# Altium PCB MainBoard V1.PcbDoc
Units mil, origin at the board's own origin, x right, y up, seen from the top; angles counter-clockwise.
Board outline 3809 x 2933.07 mil, 2 copper layers (Top Layer, Bottom Layer); 33 components, 45 nets, 331 pads, 46 vias.
Unrouted connection lines stored in the file: 3.
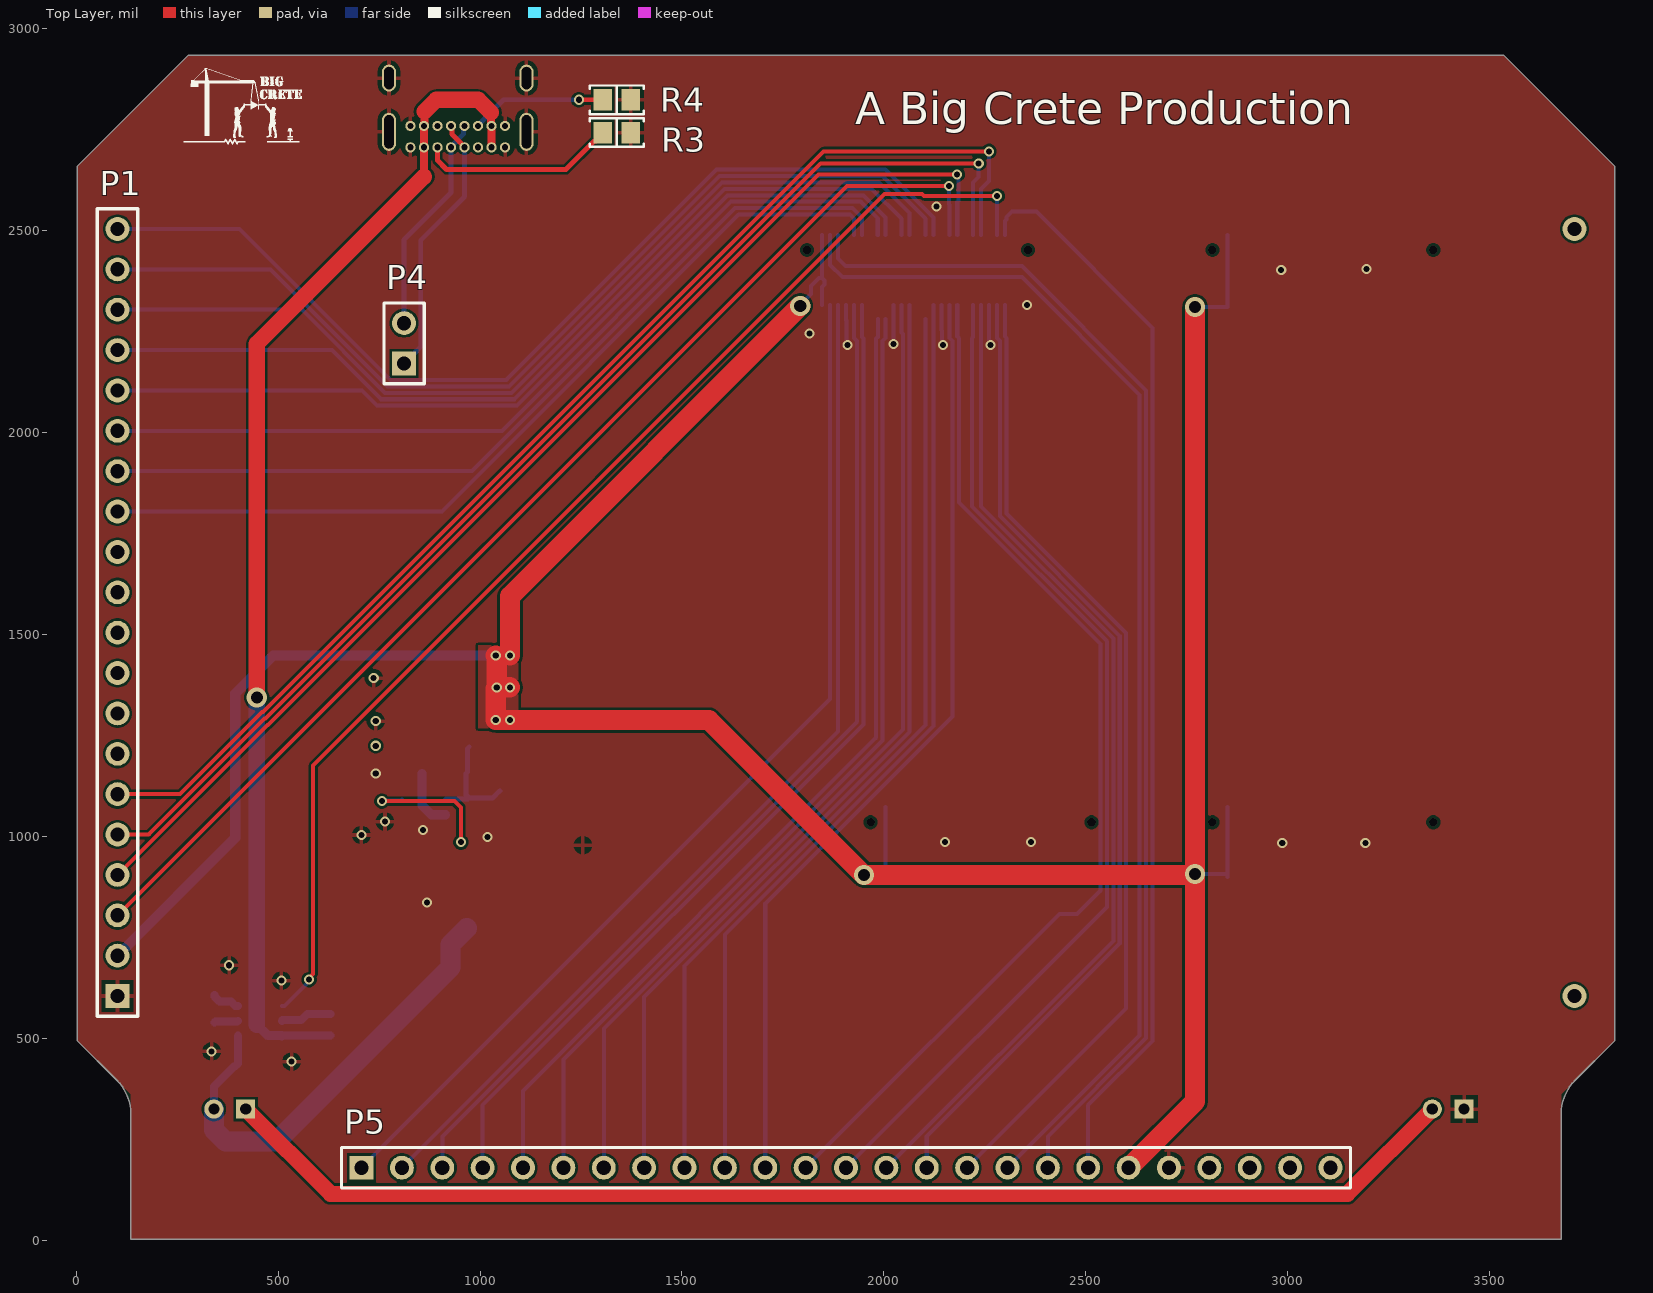
[diagram p0: Top Layer view]
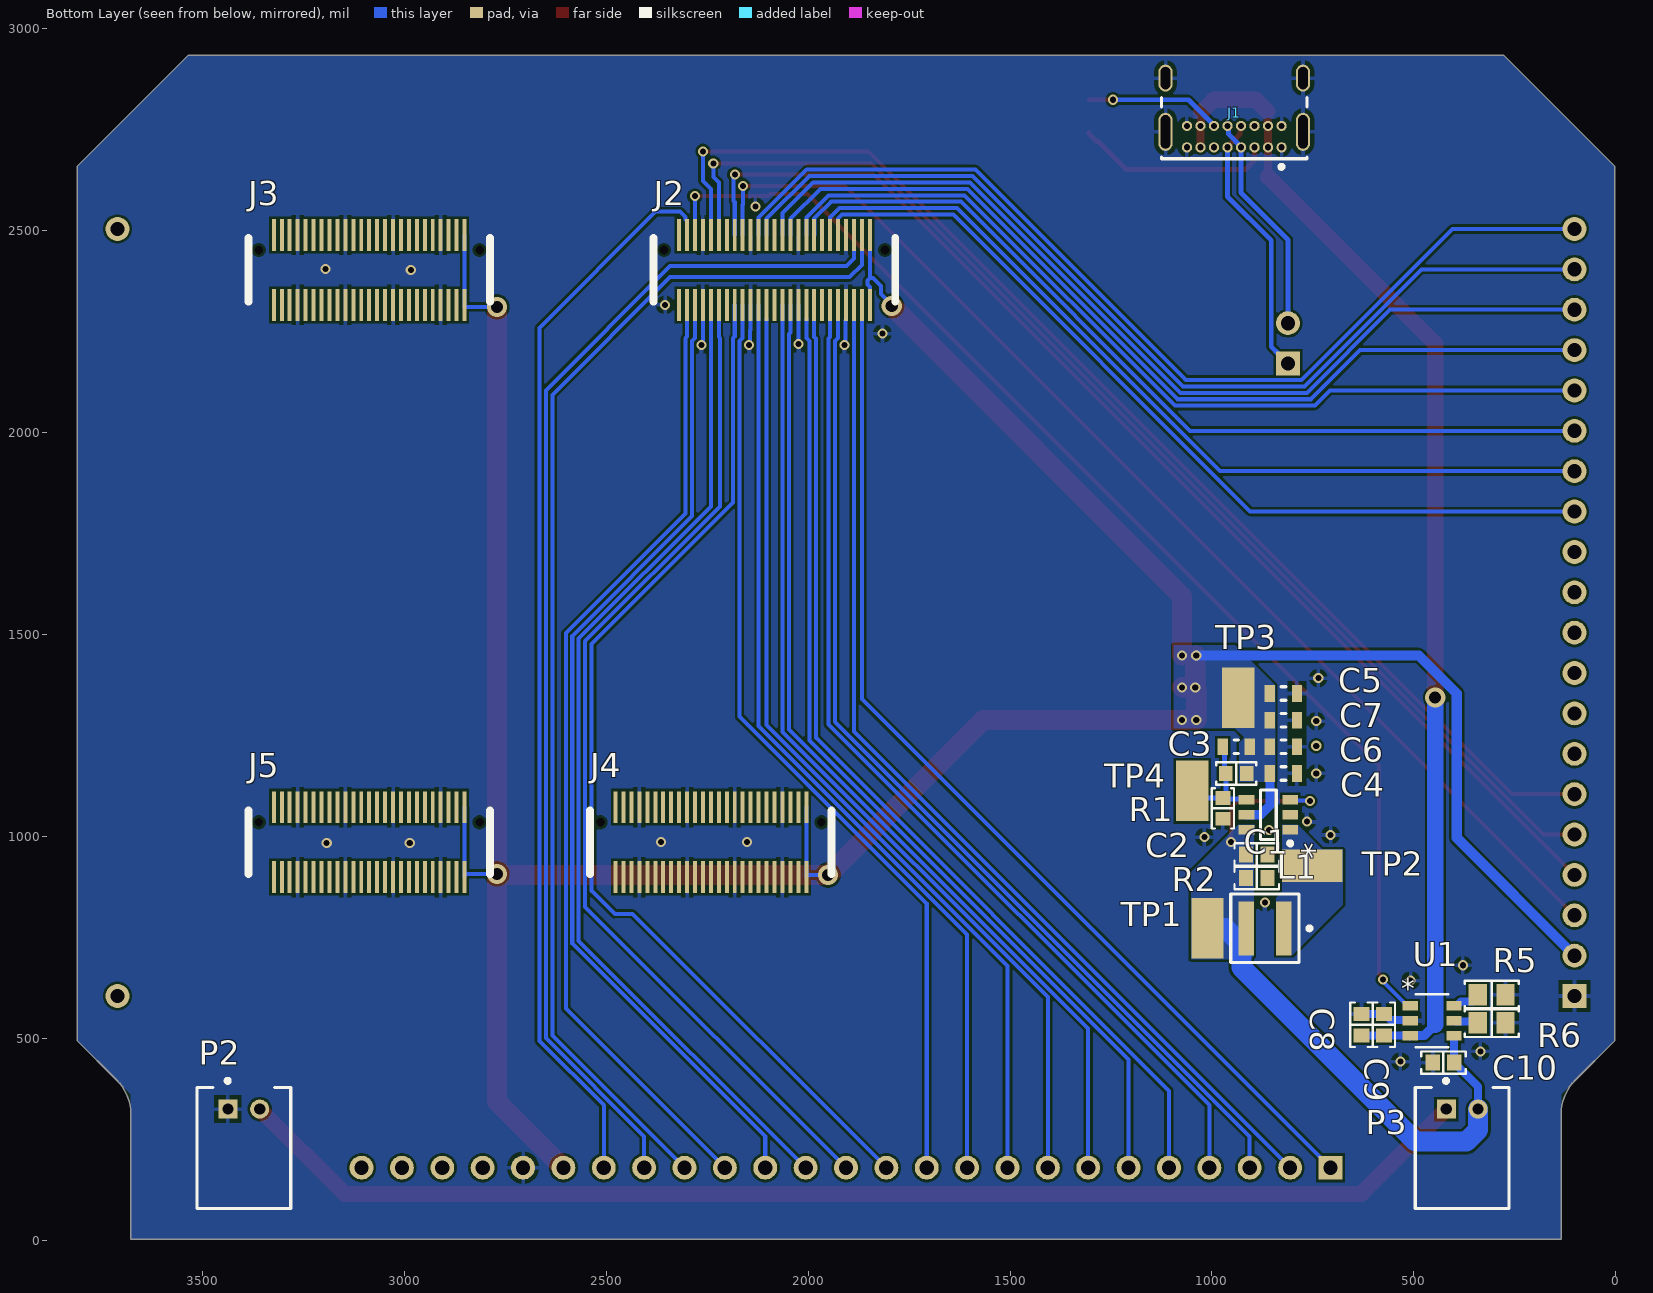
[diagram p1: Bottom Layer view, seen from below]
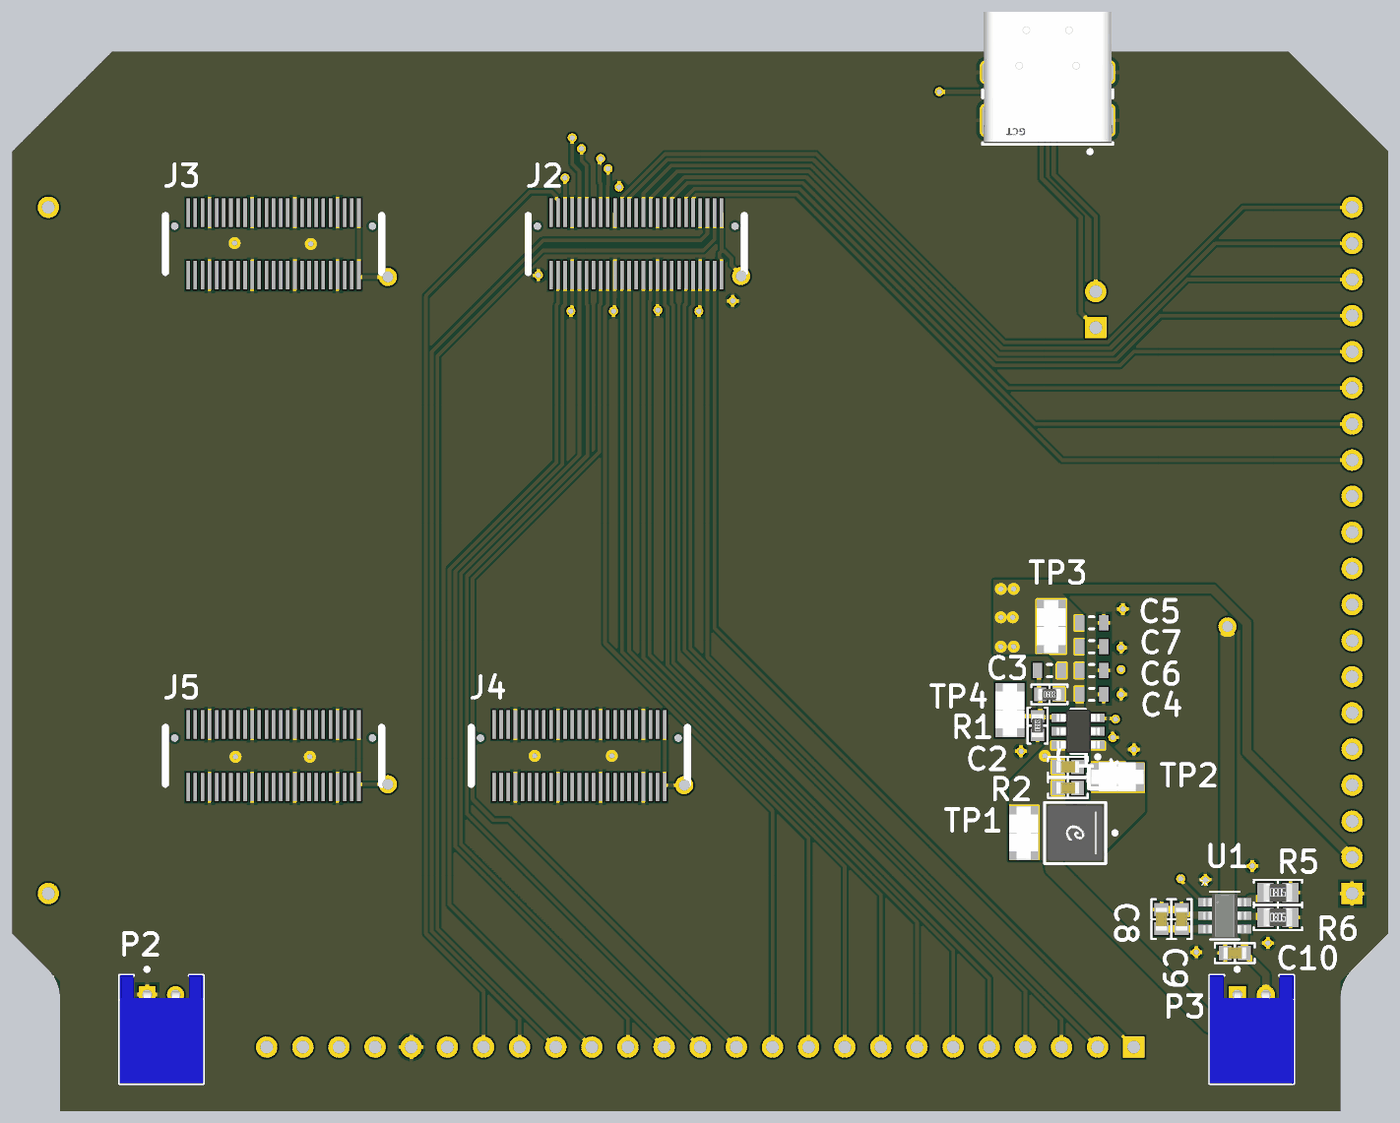
[diagram p2: 3D render of the assembled board from below, using the file's embedded part models]

## Layer stack, top to bottom
Top Solder: solder mask 0.4, Solder Resist, Dk 3.5
Top Layer: signal copper 1.4
Dielectric 1: dielectric 12.6, FR-4, Dk 4.8
Bottom Layer: signal copper 1.4
Bottom Solder: solder mask 0.4, Solder Resist, Dk 3.5

## Board outline
134.81,312.33 ccw(c16.7,312.33) 100.22,395.84 1.97,494.09 1.97,2659.45 277.56,2935.04 3535.38,2935.04 3810.97,2659.45 3810.97,494.09 3712.72,395.84 ccw(c3796.23,312.33) 3678.12,312.33 3678.12,1.97 134.81,1.97

## Design rules (kind name [scope] priority, off if disabled: settings)
Clearance [All] p1: gap=6 ignorepadtopadclearanceinfootprint=FALSE
PolygonConnect HighCurrentConnect [WithinRoom('Direct Connect')] p1: connectstyle=Direct reliefconductorwidth=10 reliefentries=4 polygonreliefangle="90 Angle" airgapwidth=10
PolygonConnect [All] p2: connectstyle=Relief reliefconductorwidth=10 reliefentries=4 polygonreliefangle="90 Angle" airgapwidth=10
RoutingVias [All] p1: holewidth=15 width=25 viastyle="Through Hole" minholewidth=10 minwidth=20 maxholewidth=50 maxwidth=50
SolderMaskExpansion [All] p1: expansion=4 istentingtop=FALSE
Width [All] p1: maxlimit=50 minlimit=10 preferedwidth=10
30 further rules are at their usual default settings.

## Classes and differential pairs
net class D[7..0]: D0 D1 D2 D3 D4 D5 D6 D7
component class Connectors: J1 J2 J3 J4 J5 P1 P2 P3 P4 P5 R3 R4
component class BatteryManagement: C8 C9 C10 R5 R6 U1
component class 5VBoost: * C1 C2 C3 C4 C5 C6 C7 L1 R1 R2 TP1 TP2 TP3 TP4

## Components (designator, comment, footprint, x,y, rotation, side; value= is the part's Value field where it differs from the comment)
* "TLV61070ADBVR" SOT95P280X145-6N 860.27,1053.4 r0 bottom
C1 "10 µF" "CAP 0603_1608" 889,896.62 r180 bottom
C2 "10 µF" "CAP 0603_1608" 889,955.04 r180 bottom
C3 "C1608X5R1A226M080AC" CAPC1608X100X20ML10 939.8,1221.74 r180 bottom
C4 "C1608X5R1A226M080AC" CAPC1608X100X20ML10 822.96,1155.7 r0 bottom
C5 "C1608X5R1A226M080AC" CAPC1608X100X20ML10 822.96,1353.82 r0 bottom
C6 "C1608X5R1A226M080AC" CAPC1608X100X20ML10 822.96,1221.74 r0 bottom
C7 "C1608X5R1A226M080AC" CAPC1608X100X20ML10 822.96,1287.78 r0 bottom
C8 "1 µF" "CAP 0603_1608" 629.92,533.4 r270 bottom
C9 "10 µF" "CAP 0603_1608" 574.04,533.4 r270 bottom
C10 "1 µF" "CAP 0603_1608" 426.72,439.42 r180 bottom
J1 "USB4085-GF-A" FP-USB4085-GF-A-MFG 944.72,2865 r0 bottom
J2 "Alchitry Male" AlchitryMale 2083.62,2402.95 r0 bottom locked
J3 "Alchitry Male" AlchitryMale 3087.56,2402.95 r0 bottom locked
J4 "Alchitry Male" AlchitryMale 2241.1,985.63 r0 bottom locked
J5 "Alchitry Male" AlchitryMale 3087.56,985.63 r0 bottom locked
L1 "XGL4030-222MEC" FP-XGL4030-MFG 868.68,772.16 r0 bottom
P1 "Header 20" HDR1X20 101.97,604.45 r90 top locked
P2 "S2B-PH-K-S(LF)(SN)" JST-S2B-PH-K-S_V 3398.12,227.99 r180 bottom
P3 "S2B-PH-K-S(LF)(SN)" JST-S2B-PH-K-S_V 380.12,227.99 r180 bottom
P4 "Header 2" HDR1X2 811.7,2171.2 r90 top
P5 "Header 25" HDR1X25 706.47,179.13 r0 top locked
R1 "220 kOhms" "RES 0603_1608" 939.8,1155.7 r180 bottom
R2 "24.3 kOhms" "RES 0603_1608" 972.82,1069.34 r90 bottom
R3 "5.1 kOhms" "RES 0805_2012" 1338.58,2743.2 r0 top
R4 "5.1 kOhms" "RES 0805_2012" 1338.58,2824.48 r0 top
R5 "110 kOhms" "RES 0805_2012" 307.34,607.06 r180 bottom
R6 "15 kOhms" "RES 0805_2012" 307.34,538.48 r180 bottom
TP1 "5019" KSTN-5019_V 1010.92,772.16 r90 bottom
TP2 "5019" KSTN-5019_V 751.84,927.1 r180 bottom
TP3 "5019" KSTN-5019_V 934.72,1343.66 r90 bottom
TP4 "5019" KSTN-5019_V 1049.02,1112.52 r90 bottom
U1 "RT9526AGE" SOT-23-6_RIT 454.64,543.06 r180 bottom

## Footprints (in the part's own frame and the unit in brackets; to place one, negate y for a bottom-side part, rotate by r counter-clockwise, add the part's x,y. Pads: shape width x height; smd on the part's side, far side on the other; paste and mask are expansions set on the pad)
AlchitryMale [mm]
  rect 0.25x2 smd: 1(-6,2.2) 2(-5.5,2.2) 3(-5,2.2) 4(-4.5,2.2) 5(-4,2.2) 6(-3.5,2.2) 7(-3,2.2) 8(-2.5,2.2) 9(-2,2.2) 10(-1.5,2.2) 11(-1,2.2) 12(-0.5,2.2) 13(0,2.2) 14(0.5,2.2) 15(1,2.2) 16(1.5,2.2) 17(2,2.2) 18(2.5,2.2) 19(3,2.2) 20(3.5,2.2) 21(4,2.2) 22(4.5,2.2) 23(5,2.2) 24(5.5,2.2) 25(6,2.2) 26(6,-2.2) 27(5.5,-2.2) 28(5,-2.2) 29(4.5,-2.2) 30(4,-2.2) 31(3.5,-2.2) 32(3,-2.2) 33(2.5,-2.2) 34(2,-2.2) 35(1.5,-2.2) 36(1,-2.2) 37(0.5,-2.2) 38(0,-2.2) 39(-0.5,-2.2) 40(-1,-2.2) 41(-1.5,-2.2) 42(-2,-2.2) 43(-2.5,-2.2) 44(-3,-2.2) 45(-3.5,-2.2) 46(-4,-2.2) 47(-4.5,-2.2) 48(-5,-2.2) 49(-5.5,-2.2) 50(-6,-2.2)
  oval 0.55x0 hole 0.55 unplated: 14(-6.95,-1.25) 14(6.95,-1.25)
  silkscreen extent -7.6,-2 7.6,2
"CAP 0603_1608" [mm] "Chip Capacitor, 2-Leads, Body 1.60x0.80mm, IPC Medium Density"
  rect 0.9x1 smd: 1(-0.675,0) 2(0.675,0)
  silkscreen extent -1.4,-0.7 1.4,0.7, body extent -0.8,-0.41 0.8,0.41, height 0.82
CAPC1608X100X20ML10 [mm] "Chip Capacitor, 2-Leads, Body 1.70x0.90mm, IPC Low Density"
  rect 0.65x1.05 smd: 1(-0.85,0) 2(0.85,0)
  silkscreen extent -0.15,-0.43 0.15,0.43, body extent -0.85,-0.45 0.85,0.45, height 1
FP-USB4085-GF-A-MFG [mm]
  rrect100% 0.9x2.4 hole 2.1 slot 0.6 at 0 deg paste-1000 mask+0: 1(-4.325,3.045) 2(4.325,3.045)
  rrect100% 0.9x1.7 hole 1.4 slot 0.6 at 0 deg paste-1000 mask+0: 3(-4.325,-0.335) 4(4.325,-0.335)
  round 0.65 hole 0.4 paste-1000 mask+0: A1(-2.975,4.025) A4(-2.125,4.025) A5(-1.275,4.025) A6(-0.425,4.025) A7(0.425,4.025) A8(1.275,4.025) A9(2.125,4.025) A12(2.975,4.025) B1(2.975,2.675) B4(2.125,2.675) B5(1.275,2.675) B6(0.425,2.675) B7(-0.425,2.675) B8(-1.275,2.675) B9(-2.125,2.675) B12(-2.975,2.675)
  silkscreen extent -4.57,0.89 4.57,5.37, body extent -4.51,-4.6 4.51,4.57, height 3.46
FP-XGL4030-MFG [mm]
  rect 0.98x3.4 smd paste+0 mask+0: 1(-1.185,0) 2(1.185,0)
  silkscreen extent -2.92,-2.15 2.15,2.15, body extent -2,-2 2,2, height 3.1
HDR1X2 [mm] "Connector; Header; 2 Position"
  rect 1.5x1.5 hole 0.9: 1(0,0)
  round 1.5 hole 0.9: 2(2.54,0)
  silkscreen extent -1.27,-1.27 3.81,1.27
HDR1X20 [mm] "Connector; Header; 20 Position"
  rect 1.5x1.5 hole 0.9: 1(0,0)
  round 1.5 hole 0.9: 2(2.54,0) 3(5.08,0) 4(7.62,0) 5(10.16,0) 6(12.7,0) 7(15.24,0) 8(17.78,0) 9(20.32,0) 10(22.86,0) 11(25.4,0) 12(27.94,0) 13(30.48,0) 14(33.02,0) 15(35.56,0) 16(38.1,0) 17(40.64,0) 18(43.18,0) 19(45.72,0) 20(48.26,0)
  silkscreen extent -1.27,-1.27 49.53,1.27
HDR1X25 [mm] "Connector; Header; 25 Position"
  rect 1.5x1.5 hole 0.9: 1(0,0)
  round 1.5 hole 0.9: 2(2.54,0) 3(5.08,0) 4(7.62,0) 5(10.16,0) 6(12.7,0) 7(15.24,0) 8(17.78,0) 9(20.32,0) 10(22.86,0) 11(25.4,0) 12(27.94,0) 13(30.48,0) 14(33.02,0) 15(35.56,0) 16(38.1,0) 17(40.64,0) 18(43.18,0) 19(45.72,0) 20(48.26,0) 21(50.8,0) 22(53.34,0) 23(55.88,0) 24(58.42,0) 25(60.96,0)
  silkscreen extent -1.27,-1.27 62.23,1.27
JST-S2B-PH-K-S_V [mm] "THD, 2-Leads, Body 7.6x5.9mm, Pitch 2mm"
  rect 1.2x1.2 hole 0.7: 1(-1,2.45)
  round 1.2 hole 0.7: 2(1,2.45)
  silkscreen extent -2.95,-3.8 2.95,4.35, body extent -2.95,-3.8 2.95,3.8, height 4.8
KSTN-5019_V [mm] "Test Point, 1-Leads, Body 3.81x2.03mm"
  rect 3.8x2.03 smd: 1(0,0)
  body extent -1.91,-1.02 1.9,1.02, height 2.29
"RES 0603_1608" [mm] "Chip Resistor, 2-Leads, Body 1.60x0.80mm, IPC Medium Density"
  rect 0.85x0.95 smd: 1(-0.65,0) 2(0.65,0)
  silkscreen extent -1.27,-0.7 1.27,0.7, body extent -0.8,-0.4 0.8,0.4, height 0.45
"RES 0805_2012" [mm] "Chip Resistor, 2-Leads, Body 2.00x1.25mm, IPC Medium Density"
  rect 1.15x1.35 smd: 1(-0.875,0) 2(0.875,0)
  silkscreen extent -1.7,-0.9 1.7,0.9, body extent -1,-0.62 1,0.63, height 0.6
SOT95P280X145-6N [mm] "SOT23, 6-Leads, Body 2.90x2.80mm, Pitch 0.95mm, IPC Medium Density"
  rect 1x0.6 smd: 1(-1.375,0.95) 2(-1.375,0) 3(-1.375,-0.95) 4(1.375,-0.95) 5(1.375,0) 6(1.375,0.95)
  silkscreen extent -1.5,-1.55 0.5,1.92, body extent -1.5,-1.53 1.5,1.53, height 1.45
SOT-23-6_RIT [mil]
  rect 37.5x24 smd paste+0 mask+0: 1(-54.25,37) 2(-54.25,0) 3(-54.25,-37) 4(54.25,-37) 5(54.25,0) 6(54.25,37)
  silkscreen extent -41,-66 41,66, body extent -59,-61 59,61, height 51

## Part data
C1 C2 C9: library part GRM188R61E106KA73J, "CAP CER 10UF 25V X5R 0603", Device Package="0603 (1608 Metric)", Manufacturer="Murata Electronics", Operating Temperature="-55°C ~ 85°C", Supplier Part Number 1=490-GRM188R61E106KA73JCT-ND, Temperature Coefficient=X5R, Tolerance=±10%, Voltage - Rated=25V, Applications="General Purpose", Capacitance="10 µF", ComponentLink1Description=Datasheet, ComponentLink1URL=https://search.murata.co.jp/Ceramy/image/img/A01X/G101/ENG/GRM188R61E106KA73-01A.pdf, ComponentLink2Description="DigiKey Link", ComponentLink2URL=https://www.digikey.com/en/products/detail/murata-electronics/GRM188R61E106KA73J/9887674, lastupdated="2023-01-03 8:06:37 PM", Lifecycle Status=Active, Minimum Order=1, Mounting Type="Surface Mount, MLCC", Package / Case="0603 (1608 Metric)", Packaging=TapeAndReel, Part Number=GRM188R61E106KA73J, Part Status=Active, partid=39529, price=0.04, Series=GRM, Size / Dimension="0.063\" L x 0.031\" W (1.60mm x 0.80mm)", Supplier 1=DigiKey, Thickness (Max)="0.039\" (1.00mm)"
C3 C4 C5 C6 C7: library part CMP-2000-05441-1, "Chip Capacitor, 22 uF, +/- 20%, 10 V, -55 to 85 degC, 0603 (1608 Metric), RoHS, Tape and Reel", Capacitance=22µF, Manufacturer=TDK, Operating Temperature=-55degC~85degC, Package / Case=0603(1608Metric), Package Description="2-Pin Surface Mount Device, Body 1.6 x 0.8 mm", Package Reference=603, PCN Part Number=MLCCPartNumberChange30/Nov/2012, Ratings=-, Standard Package=1, Temperature Coefficient=X5R, Tolerance=±20%, Voltage - Rated=10V, Applications=GeneralPurpose, Category=Capacitors, Datasheet URL=http://download.siliconexpert.com/pdfs/2015/4/21/15/54/45/779/tdk_/manual/37024850441143360mlcc_commercial_general_en.pdf, Datasheet Version=Mar-15, Design Resources=20WNon-IsolatedBuckLEDDriverUsingPLLNK460KG, Family=CeramicCapacitors, Features=-, Height - Seated (Max)=-, Kits=445-9014-KIT-ND-KITMLCC100PF-22UF060310-50V, Lead Spacing=-, Lead Style=-, Manufacturer URL=http://www.tdk.com/, Mounting Type=SurfaceMount,MLCC, Online Catalog=CSeries,GeneralPurpose, Other Names=445-9077-1, Packaging=CutTape(CT), Product Training Modules=CSeriesGeneralApplicationsSEAT,CCV,andTVCLDesignToolsGuidetoReplacinganElectrolyticCapacitorwithanMLCC, RoHS Information=RoHSCertificate-MLCC, Series=C, Size / Dimension="0.063\"Lx0.031\"W(1.60mmx0.80mm)", Thickness (Max)="0.035\"(0.90mm)"
C8 C10: library part C1608X7R1C105K080AC, "CAP CER 1UF 16V X7R 0603", Device Package="0603 (1608 Metric)", Manufacturer="TDK Corporation", Operating Temperature="-55°C ~ 125°C", Supplier Part Number 1=445-1604-1-ND, Temperature Coefficient=X7R, Tolerance=±10%, Voltage - Rated=16V, Applications="General Purpose", Capacitance="1 µF", ComponentLink1Description=Datasheet, ComponentLink1URL=https://product.tdk.com/info/en/catalog/datasheets/mlcc_commercial_general_en.pdf?ref_disty=digikey, ComponentLink2Description="DigiKey Link", ComponentLink2URL=https://www.digikey.com/en/products/detail/tdk-corporation/C1608X7R1C105K080AC/634395, Features="Low ESL", lastupdated="2023-01-03 8:06:54 PM", Lifecycle Status=Active, Minimum Order=1, Mounting Type="Surface Mount, MLCC", Package / Case="0603 (1608 Metric)", Packaging=TapeAndReel, Part Number=C1608X7R1C105K080AC, Part Status=Active, partid=36324, price=0.01, Series=C, Size / Dimension="0.063\" L x 0.031\" W (1.60mm x 0.80mm)", Supplier 1=DigiKey, Thickness (Max)="0.035\" (0.90mm)"
J1: library part CMP-196119-000001-2, "CONN RCPT USB2.0 TYPE C 24POS RA", Contact Material="Copper Alloy", Contact Plating=Gold, Gender=Receptacle, Number of Positions=16, Orientation="Right Angle", USB Standard="USB 2.0"
L1: library part CMP-11268-000073-1, "Inductor Power Shielded Wirewound 2.2uH 20% 1MHz Composite 8.7A 15mOhm DCR Automotive T/R"
P1: "Header, 20-Pin", LatestRevisionDate=17-Jul-2002, LatestRevisionNote="Re-released for DXP Platform.", Publisher="Altium Limited"
P2 P3: library part CMP-1755-00004-1, "Male Header, Pitch 2 mm, 1 x 2 Position, Height 4.8 mm, Tail Length 3.4 mm, -25 to 85 degC, RoHS, Bulk", Capacitance="10 uF", Case\Package=Radial, Max Operating Temperature="85 degC", Min Operating Temperature="-40 degC", Package Quantity=200, Tolerance=20%, Voltage Rating="50 V", ComponentLink1Description=Datasheet, ComponentLink1URL=http://www.jst-mfg.com/product/pdf/eng/ePH.pdf, DatasheetVersion=Dec-12, Diameter="5 mm", Height="11 mm", Lead Pitch="2 mm", Length="11 mm", Mount="Through Hole", PackageDescription="Male Header, Pitch 2 mm, 1 x 2 Position, Height 4.8 mm, Tail Length 3.4 mm", PackageReference=S2B-PH-K-S, Packaging=Bulk, Pins=2, Radiation Hardening=No, REACH SVHC="No SVHC", RoHSCompliant=true, Voltage Rating (DC)="50 V"
P4: "Header, 2-Pin", LatestRevisionDate=17-Jul-2002, LatestRevisionNote="Re-released for DXP Platform.", Publisher="Altium Limited"
P5: "Header, 25-Pin", LatestRevisionDate=17-Jul-2002, LatestRevisionNote="Re-released for DXP Platform.", Publisher="Altium Limited"
R1: library part RC0603FR-07220KL, "RES 220K OHM 1% 1/10W 0603", Device Package="0603 (1608 Metric)", Manufacturer=Yageo, Operating Temperature="-55°C ~ 155°C", Power (Watts)="0.1W, 1/10W", Supplier Device Package=0603, Supplier Part Number 1=311-220KHRCT-ND, Temperature Coefficient=±100ppm/°C, Tolerance=±1%, ComponentLink1Description=Datasheet, ComponentLink1URL=https://www.yageo.com/upload/media/product/productsearch/datasheet/rchip/PYu-RC_Group_51_RoHS_L_10.pdf, ComponentLink2Description="DigiKey Link", ComponentLink2URL=https://www.digikey.com/en/products/detail/yageo/RC0603FR-07220KL/727062, Composition="Thick Film", Features="Moisture Resistant", Height - Seated (Max)="0.022\" (0.55mm)", lastupdated="2023-01-02 8:29:28 PM", Lifecycle Status=Active, Minimum Order=1, Number of Terminations=2, Package / Case="0603 (1608 Metric)", Packaging=CutTape, Part Number=RC0603FR-07220KL, Part Status=Active, partid=19015, price=0.01, Resistance="220 kOhms", Series=RC_L, Size / Dimension="0.063\" L x 0.031\" W (1.60mm x 0.80mm)", Supplier 1=DigiKey
R2: library part RC0603FR-0724K3L, "RES 24.3K OHM 1% 1/10W 0603", Device Package="0603 (1608 Metric)", Manufacturer=Yageo, Operating Temperature="-55°C ~ 155°C", Power (Watts)="0.1W, 1/10W", Supplier Device Package=0603, Supplier Part Number 1=311-24.3KHRCT-ND, Temperature Coefficient=±100ppm/°C, Tolerance=±1%, ComponentLink1Description=Datasheet, ComponentLink1URL=https://www.yageo.com/upload/media/product/productsearch/datasheet/rchip/PYu-RC_Group_51_RoHS_L_10.pdf, ComponentLink2Description="DigiKey Link", ComponentLink2URL=https://www.digikey.com/en/products/detail/yageo/RC0603FR-0724K3L/727078, Composition="Thick Film", Features="Moisture Resistant", Height - Seated (Max)="0.022\" (0.55mm)", lastupdated="2023-01-02 8:30:16 PM", Lifecycle Status=Active, Minimum Order=1, Number of Terminations=2, Package / Case="0603 (1608 Metric)", Packaging=CutTape, Part Number=RC0603FR-0724K3L, Part Status=Active, partid=7644, price=0.01, Resistance="24.3 kOhms", Series=RC_L, Size / Dimension="0.063\" L x 0.031\" W (1.60mm x 0.80mm)", Supplier 1=DigiKey
R3 R4: library part RC0805JR-075K1L, "RES 5.1K OHM 5% 1/8W 0805", Device Package="0805 (2012 Metric)", Manufacturer=Yageo, Operating Temperature="-55°C ~ 155°C", Power (Watts)="0.125W, 1/8W", Supplier Device Package=0805, Supplier Part Number 1=311-5.1KARCT-ND, Temperature Coefficient=±100ppm/°C, Tolerance=±5%, ComponentLink1Description=Datasheet, ComponentLink1URL=https://www.yageo.com/upload/media/product/productsearch/datasheet/rchip/PYu-RC_Group_51_RoHS_L_10.pdf, ComponentLink2Description="DigiKey Link", ComponentLink2URL=https://www.digikey.com/en/products/detail/yageo/RC0805JR-075K1L/728338, Composition="Thick Film", Features="Moisture Resistant", Height - Seated (Max)="0.024\" (0.60mm)", lastupdated="2023-01-02 8:43:52 PM", Lifecycle Status=Active, Minimum Order=1, Number of Terminations=2, Package / Case="0805 (2012 Metric)", Packaging=CutTape, Part Number=RC0805JR-075K1L, Part Status=Active, partid=41971, price=0.01, Resistance="5.1 kOhms", Series=RC_L, Size / Dimension="0.079\" L x 0.049\" W (2.00mm x 1.25mm)", Supplier 1=DigiKey
R5: library part RC0805FR-07110KL, "RES 110K OHM 1% 1/8W 0805", Device Package="0805 (2012 Metric)", Manufacturer=Yageo, Operating Temperature="-55°C ~ 155°C", Power (Watts)="0.125W, 1/8W", Supplier Device Package=0805, Supplier Part Number 1=311-110KCRCT-ND, Temperature Coefficient=±100ppm/°C, Tolerance=±1%, ComponentLink1Description=Datasheet, ComponentLink1URL=https://www.yageo.com/upload/media/product/productsearch/datasheet/rchip/PYu-RC_Group_51_RoHS_L_10.pdf, ComponentLink2Description="DigiKey Link", ComponentLink2URL=https://www.digikey.com/en/products/detail/yageo/RC0805FR-07110KL/727560, Composition="Thick Film", Features="Moisture Resistant", Height - Seated (Max)="0.024\" (0.60mm)", lastupdated="2023-01-02 8:44:02 PM", Lifecycle Status=Active, Minimum Order=1, Number of Terminations=2, Package / Case="0805 (2012 Metric)", Packaging=CutTape, Part Number=RC0805FR-07110KL, Part Status=Active, partid=39573, price=0.01, Resistance="110 kOhms", Series=RC_L, Size / Dimension="0.079\" L x 0.049\" W (2.00mm x 1.25mm)", Supplier 1=DigiKey
R6: library part RC0805FR-1315KL, "RES 15K OHM 1% 1/8W 0805", Device Package="0805 (2012 Metric)", Manufacturer=Yageo, Operating Temperature="-55°C ~ 155°C", Power (Watts)="0.125W, 1/8W", Supplier Device Package=0805, Supplier Part Number 1=13-RC0805FR-1315KLCT-ND, Temperature Coefficient=±100ppm/°C, Tolerance=±1%, ComponentLink1Description=Datasheet, ComponentLink1URL=https://www.yageo.com/upload/media/product/productsearch/datasheet/rchip/PYu-RC_Group_51_RoHS_L_11.pdf, ComponentLink2Description="DigiKey Link", ComponentLink2URL=https://www.digikey.com/en/products/detail/yageo/RC0805FR-1315KL/13694228, Composition="Thick Film", Features="Moisture Resistant", Height - Seated (Max)="0.024\" (0.60mm)", lastupdated="2023-01-02 8:42:49 PM", Lifecycle Status=Active, Minimum Order=1, Number of Terminations=2, Package / Case="0805 (2012 Metric)", Packaging=CutTape, Part Number=RC0805FR-1315KL, Part Status=Active, partid=66554, price=0.01, Resistance="15 kOhms", Series=RC_L, Size / Dimension="0.079\" L x 0.049\" W (2.00mm x 1.25mm)", Supplier 1=DigiKey
TP1 TP2 TP3 TP4: library part CMP-1672-00008-1, "Test Point, 1 Position SMD, RoHS, Tape and Reel", Package Quantity=1000, ComponentLink1Description="Manufacturer URL", ComponentLink1URL=http://www.keyelco.com/, ComponentLink2Description=Datasheet, ComponentLink2URL=http://www.keyelco.com/product-pdf.cfm?p=1357, Contact Plating=Silver, DatasheetVersion=03/2014, Mount="Surface Mount", Mounting Technology="Surface Mount", PackageDescription="1-Pin Surface Mount Device, Body 3.81 x 2.03 mm", PackageReference=5019, Packaging="Tape and Reel", Pins=1, RoHSCompliant=True
U1: "No Description Available", Mfr_Name="Richtek Technology", Copyright="Copyright (C) 2023 Ultra Librarian. All rights reserved.", Digi-Key_Part_Number_1=1028-1359-2-ND, Digi-Key_Part_Number_2=1028-1359-1-ND, Digi-Key_Part_Number_3=1028-1359-6-ND, Manufacturer_Part_Number=RT9526AGE, RefDes=RefDes, Type=DEV

## Free pads (board coordinates)
  round 59.05 hole 35.43: 15(3710.97,604.45) 15(3710.97,2504.45)

## Via types
v1: diameter 25, hole 15, Top Layer to Bottom Layer, 41 vias
v2: diameter 50, hole 30, Top Layer to Bottom Layer, 5 vias

## Nets (pads, with @x,y where several pads share a name; then routed paths per layer and width w, separated by ;. In a path a pad name is that pad's centre, name@x,y a point inside that pad or via, vN(x,y) a via of type N, cw(c..) or ccw(c..) an arc to the next point about the centre after c; other vN are vias at no path point)
5V: *.5 C3.2 C4.2 C5.2 C6.2 C7.2 J2.1 J2.50 J3.1 J3.50 J4.1 J4.50 J5.1 J5.50 P1.2 P5.20 R1.2 TP3.1 | length 8065.7
  Top Layer w50: v1(1038.86,1447.8) 1041.4,1445.26 v1(1041.4,1369.06) ; v1(1074.42,1369.06) v1(1041.4,1369.06) ; v1(1074.42,1447.8) 1074.42,1595.12 v2(1793.24,2313.94) ; P5.20 2771.14,343.81 v2(2771.14,906.78) ; v2(2771.14,2311.4) v2(2771.14,906.78) ; v1(1041.4,1369.06) 1038.86,1366.52 v1(1038.86,1287.78) v1(1074.42,1287.78) 1567.18,1287.78 v2(1950.72,904.24) 2768.6,904.24 v2(2771.14,906.78)
  Bottom Layer w10: v2(1793.24,2313.94) 1793.24,2316.97 1820.01,2343.74 1820.01,2363.59 1839.12,2382.7 1847.4,2382.7 ; J2.1 1847.48,2316.41 1847.48,2361.07 1853.26,2366.85 1853.26,2376.85 1847.4,2382.7 ; J2.50 1847.4,2382.7 ; v2(1950.72,904.24) 2004.81,904.24 J4.1@2004.88,904.16 ; J4.1 J4.1@2004.88,904.16 ; J4.50 J4.1@2004.88,904.16 ; v2(2771.14,906.78) J5.1@2851.26,906.78 ; v2(2771.14,2311.4) 2851.26,2311.4 2851.34,2311.48 J3.1 J3.50 ; J5.1 J5.50
  Bottom Layer w23: C4.2 856.42,1076.93 879.64,1053.71 914.09,1053.71 *.5
  Bottom Layer w25: P1.2 393.7,996.18 393.7,1353.82 487.68,1447.8 v1(1038.86,1447.8)
AHS0: J2.24 P5.16 | length 2424.9
  Bottom Layer w10: P5.16 2600.55,573.22 2600.55,1503.14 2304.1,1799.59 2304.1,2233.78 2300.16,2237.73 J2.24
AHS1: J2.49 P5.17 | length 3024.1
  Bottom Layer w10: J2.49 1867.17,2489.48 1867.17,2415.27 1897.38,2385.06 2341.88,2385.06 2633.98,2092.96 2633.98,506.65 P5.17
AHS2: J2.48 P5.18 | length 2983.3
  Bottom Layer w10: J2.48 1886.85,2489.48 1886.85,2431.15 1905.35,2412.65 2342.23,2412.65 2649.98,2104.9 2649.98,500.02 2406.47,256.51 P5.18
ALS0: J2.18 P5.12 | length 2612.2
  Bottom Layer w10: P5.12 2435.05,807.72 2479.04,807.72 2536.55,865.23 2536.55,1476.63 2185.99,1827.19 2185.99,2233.78 2182.05,2237.73 J2.18
ALS1: J2.20 P5.13 | length 2544.3
  Bottom Layer w10: P5.13 2552.55,825.22 2552.55,1483.26 2218.64,1817.17 2218.64,2233.78 2221.42,2236.56 J2.20
ALS2: J2.21 P5.14 | length 2505.7
  Bottom Layer w10: P5.14 2568.55,741.22 2568.55,1489.88 2241.1,1817.33 J2.21
ALS3: J2.23 P5.15 | length 2461.2
  Bottom Layer w10: P5.15 2106.47,256.51 2584.55,734.59 2584.55,1496.51 2288.1,1792.96 2288.1,2227.15 2280.47,2234.78 J2.23
D0: J2.46 P1.13 | length 2173.2
  Bottom Layer w10: P1.13 905.29,1804.45 1640.77,2539.93 1915.94,2539.93 1926.07,2529.8 J2.46 J2.46
D1: J2.45 P1.14 | length 2166.5
  Bottom Layer w10: P1.14 979.89,1904.45 1631.37,2555.93 1922.56,2555.93 1945.75,2532.75 J2.45 J2.45
D2: J2.43 P1.15 | length 2175.9
  Bottom Layer w10: P1.15 1054.49,2004.45 1621.97,2571.93 1942.99,2571.93 1985.12,2529.8 1985.12,2489.64 J2.43
D3: J2.42 P1.16 | length 2200.5
  Bottom Layer w10: P1.16 707.33,2104.45 745.11,2066.67 1091.4,2066.67 1612.66,2587.93 1949.62,2587.93 2004.81,2532.75 2004.81,2489.64 J2.42
D4: J2.40 P1.17 | length 2279.5
  Bottom Layer w10: P1.17 632.73,2204.45 754.51,2082.67 1084.77,2082.67 1606.03,2603.93 1970.05,2603.93 2044.18,2529.8 2044.18,2489.64 J2.40
D5: J2.39 P1.18 | length 2348.8
  Bottom Layer w10: P1.18 558.58,2304.45 764.36,2098.67 1078.15,2098.67 1599.41,2619.93 1987.63,2619.93 2063.94,2543.62 J2.39
D6: J2.37 P1.19 | length 2421.4
  Bottom Layer w10: P1.19 481.21,2404.45 770.99,2114.67 1071.52,2114.67 1592.78,2635.93 1997.1,2635.93 2103.23,2529.8 2103.23,2489.64 J2.37
D7: J2.36 P1.20 | length 2484.3
  Bottom Layer w10: P1.20 403.84,2504.45 777.62,2130.67 1064.89,2130.67 1586.15,2651.93 2003.73,2651.93 2122.92,2532.75 2122.92,2489.64 J2.36
D+: J1.A6 J1.B6 P4.2 | length 550.5
  Bottom Layer w12: P4.2 811.7,2477.94 927.99,2594.23 J1.A6 927.99,2708.14 958.86,2739 958.86,2757.08 J1.B6
D-: J1.A7 J1.B7 P4.1 | length 664.4
  Top Layer w12: J1.B7 930.59,2757.08 930.59,2739 961.46,2708.14 J1.A7
  Bottom Layer w12: P4.1 835.23,2194.73 853.23,2212.73 853.23,2476.29 961.46,2584.52 J1.A7
GND: *.2 C1.2 C2.2 C4.1 C5.1 C6.1 C7.1 C8.1 C9.1 C10.1 J1.1 J1.2 J1.3 J1.4 J1.A1 J1.A12 J1.B1 J1.B12 J2.4 J2.10 J2.16 J2.22 J2.29 J2.35 J2.41 J2.47 J3.4 J3.10 J3.16 J3.22 J3.29 J3.35 J3.41 J3.47 J4.4 J4.10 J4.16 J4.22 J4.29 J4.35 J4.41 J4.47 J5.4 J5.10 J5.16 J5.22 J5.29 J5.35 J5.41 J5.47 P1.1 P2.1 P5.21 R2.1 R3.2 R4.2 R5.2 R6.2 U1.2 | length 530.7
  Bottom Layer w10: v1@1902.77,2217.13 1907.4,2221.76 1907.4,2230.34 1907.38,2278.08 1906.54,2278.92 J2.4 J2.4 ; v1@1907.54,2214.26 v1(1910.27,2217) ; v1(2023.62,2219.87) 2023.62,2227.52 v1@2025.51,2229.41 ; v1@2024.57,2230.36 J2.10 ; J2.16 2142.68,2253.74 2143.76,2252.66 2143.76,2220.15 v1@2146.49,2217.42 ; J2.22 2260.79,2225.29 2264.6,2221.48 v1@2264.6,2217.42
  Bottom Layer w20: U1.2 510.89,545.06 557.16,545.06 572.07,559.97 C9.1 C8.1
  other v1: 533.4,441.96 335.28,467.36 508,642.62 378.46,680.72 868.68,835.66 2987.04,982.98 3192.78,982.98 2151.38,985.52 2364.74,985.52 1018.54,998.22 706.12,1003.3 858.52,1016 764.54,1036.32 741.68,1155.7 741.68,1285.24 736.6,1391.92 2146.49,2217 2264.6,2217 1816.1,2245.36 2354.58,2316.48 2984.5,2402.84 3195.32,2405.38 2131.06,2560.32
LCD_CD: J2.33 P1.4 | length 2950.4
  Top Layer w10: P1.4 473.18,1275.66 475.21,1275.66 1838.61,2639.06 v1(2181.86,2639.06)
  Bottom Layer w10: v1(2181.86,2639.06) 2181.86,2635 2185.04,2631.82 2185.04,2573.85 2182.05,2570.86 J2.33
LCD_CS: J2.34 P1.3 | length 2929.8
  Top Layer w10: P1.3 1908.64,2611.12 v1(2161.54,2611.12)
  Bottom Layer w10: v1(2161.54,2611.12) 2161.54,2564.43 2162.36,2563.61 J2.34
LCD_RD: J2.30 P1.6 | length 3033.5
  Top Layer w10: P1.6 256.71,1104.45 459.92,1307.66 461.95,1307.66 1850.94,2696.65 v1(2260.75,2696.65)
  Bottom Layer w10: J2.30 2241.1,2603.77 2260.75,2623.42 v1(2260.75,2696.65)
LCD_WR: J2.31 P1.5 | length 3005
  Top Layer w10: P1.5 179.34,1004.45 466.55,1291.66 468.58,1291.66 1843.92,2667 v1(2235.2,2667)
  Bottom Layer w10: J2.31 2221.42,2619.56 2235.2,2633.34 v1(2235.2,2667)
LED_EN: J2.27 P5.19 | length 2678.7
  Bottom Layer w10: J2.27 2300.16,2523.85 2303.92,2527.62 2303.92,2533.49 2317.72,2547.29 2377.77,2547.29 2665.98,2259.08 2665.98,493.39 2506.47,333.88 P5.19
Net*_1: *.1 L1.1 TP2.1
Net*_4: *.4 C3.1 R1.1 R2.2 TP4.1 | length 276.8
  Bottom Layer w12: *.4 916.46,1092.87 970.76,1092.87 R2.2 ; C3.1 969.33,1217.8 969.33,1159.64 R1.1 965.39,1102.36 R2.2 ; TP4.1 1031.43,1094.93 R2.2
NetJ1_A5: J1.A5 R3.1 | length 491.4
  Top Layer w12: J1.A5 894.53,2674.17 916.94,2651.76 1212.69,2651.76 1283.56,2722.63 1287.49,2722.63 1304.13,2739.26 R3.1
NetJ1_B5: J1.B5 R4.1 | length 337
  Top Layer w12: v1(1244.6,2824.48) R4.1
  Bottom Layer w12: J1.B5 994.92,2761.29 1058.12,2824.48 v1(1244.6,2824.48)
NetP2_2: P2.2 P3.1 | length 3113.3
  Top Layer w40: P3.1 629.64,114.3 3148.61,114.3 P2.2
NetR5_1: R5.1 U1.6 | length 72.1
  Bottom Layer w20: R5.1 341.79,603.12 354.43,590.49 383.21,590.49 393.64,580.06 U1.6
NetR6_1: R6.1 U1.5 | length 60.5
  Bottom Layer w20: R6.1 344.37,541.06 398.39,541.06 U1.5
PG: J2.28 U1.1 | length 3010.4
  Top Layer w10: v1(576.58,645.16) 576.58,648.36 586.74,658.52 586.74,1175.4 2002.14,2590.8 2094.78,2590.8 2099.86,2585.72 v1(2280.92,2585.72)
  Bottom Layer w10: U1.1 515.64,580.06 573.71,638.13 573.71,642.29 v1(576.58,645.16) ; J2.28 2280.47,2585.27 v1(2280.92,2585.72)
SWH0: J2.9 P5.6 | length 2433.5
  Bottom Layer w10: P5.6 1206.47,446.81 1997.25,1237.59 1997.25,2226.73 2004.88,2234.36 J2.9@2004.88,2281.96
SWH1: J2.11 P5.7 | length 2445.2
  Bottom Layer w10: P5.7 1306.47,524.18 2047.12,1264.84 2047.12,2244.61 2044.25,2247.49 J2.11
SWH2: J2.12 P5.8 | length 2409.5
  Bottom Layer w10: P5.8 1406.47,601.55 2063.94,1259.03 J2.12
SWH3: J2.14@2103.31,2316.33 P5.9 | length 2350.1
  Bottom Layer w10: P5.9 1506.47,678.93 2103.39,1275.85 J2.14@2103.39,2281.96
SWH4: J2.15 P5.10 | length 2351.2
  Bottom Layer w10: P5.10 1606.47,756.3 2122.99,1272.83 J2.15
SWH5: J2.17 P5.11 | length 2332.4
  Bottom Layer w10: P5.11 1706.47,833.67 2169.99,1297.2 2169.99,2227.15 2162.36,2234.78 J2.17
SWL0: J2.2 P5.1 | length 2617.9
  Bottom Layer w10: P5.1 1867.09,1339.75 J2.2
SWL1: J2.3 P5.2 | length 2584.7
  Bottom Layer w10: P5.2 1886.77,1259.44 J2.3
SWL2: J2.5 P5.3 | length 2565.9
  Bottom Layer w10: P5.3 906.47,256.51 1933.77,1283.81 1933.77,2226.73 1926.14,2234.36 J2.5
SWL3: J2.6 P5.4 | length 2529.6
  Bottom Layer w10: P5.4 1006.47,333.88 1949.77,1277.18 1949.77,2233.36 1945.83,2237.3 J2.6
SWL4: J2.8 P5.5 | length 2466.8
  Bottom Layer w10: P5.5 1106.47,369.44 1981.25,1244.22 1981.25,2233.36 1985.2,2237.31 J2.8@1985.2,2281.96
USB_5V: C8.2 C9.2 J1.A4 J1.A9 J1.B4 J1.B9 U1.3 | length 2905.4
  Top Layer w20: 861.06,2633.98 J1.A4 J1.B9 862.13,2760.75 862.13,2795.07 ; 1027.32,2792.84 1027.32,2760.75 J1.B4 J1.A9
  Top Layer w40: v2(447.04,1343.66) 447.04,2219.96 861.06,2633.98 ; 862.13,2795.07 876.3,2809.24 891.54,2824.48 995.68,2824.48 1010.92,2809.24 1027.32,2792.84
  Bottom Layer w20: U1.3 509.27,506.44 573.66,506.44 C9.2 C8.2
  Bottom Layer w23: 447.04,533.4 473.88,506.56 508.39,506.56 U1.3
  Bottom Layer w40: 447.04,533.4 v2(447.04,1343.66)
Vbatt: *.3 *.6 C1.1 C2.1 C10.2 L1.2 P3.2 TP1.1 U1.4 | length 1487.7
  Top Layer w10: v1(756.92,1087.12) 936.34,1087.12 952.5,1070.96 v1(952.5,985.52)
  Bottom Layer w10: v1(756.92,1087.12) 758.76,1088.96 804.29,1088.96 *.3
  Bottom Layer w20: P3.2 340.75,380.03 390.46,429.73 392.43,429.73 400.15,437.45 C10.2 400.27,439.54 400.27,505.94 U1.4
  Bottom Layer w50: P3.2 340.75,273.11 370.04,243.82 495.28,243.82 927.1,675.64 927.1,732.24 967.02,772.16
pads on no net: J1.A8 J1.B8 J2.7 J2.13 J2.14@1810,2452.16 J2.14@2357.25,2452.16 J2.19 J2.25 J2.26 J2.32 J2.38 J2.44 J3.2 J3.3 J3.5 J3.6 J3.7 J3.8 J3.9 J3.11 J3.12 J3.13 J3.14 J3.15 J3.17 J3.18 J3.19 J3.20 J3.21 J3.23 J3.24 J3.25 J3.26 J3.27 J3.28 J3.30 J3.31 J3.32 J3.33 J3.34 J3.36 J3.37 J3.38 J3.39 J3.40 J3.42 J3.43 J3.44 J3.45 J3.46 J3.48 J3.49 J4.2 J4.3 J4.5 J4.6 J4.7 J4.8 J4.9 J4.11 J4.12 J4.13 J4.14 J4.15 J4.17 J4.18 J4.19 J4.20 J4.21 J4.23 J4.24 J4.25 J4.26 J4.27 J4.28 J4.30 J4.31 J4.32 J4.33 J4.34 J4.36 J4.37 J4.38 J4.39 J4.40 J4.42 J4.43 J4.44 J4.45 J4.46 J4.48 J4.49 J5.2 J5.3 J5.5 J5.6 J5.7 J5.8 J5.9 J5.11 J5.12 J5.13 J5.14 J5.15 J5.17 J5.18 J5.19 J5.20 J5.21 J5.23 J5.24 J5.25 J5.26 J5.27 J5.28 J5.30 J5.31 J5.32 J5.33 J5.34 J5.36 J5.37 J5.38 J5.39 J5.40 J5.42 J5.43 J5.44 J5.45 J5.46 J5.48 J5.49 P1.7 P1.8 P1.9 P1.10 P1.11 P1.12 P5.22 P5.23 P5.24 P5.25
copper on no net:
  other v1: 741.68,1224.28

## Polygon pours and split planes (outlines as drawn)
GND on Bottom Layer "GND_L02_P006" (solid, pour order 6): 277.56,2935.04 3535.38,2935.04 3810.97,2659.45 3810.97,494.09 3678.12,361.25 3678.12,1.97 134.81,1.97 134.81,312.33 134.81,361.25 1.97,494.09 1.97,2659.45
5V on Bottom Layer "5V_L02_P000" (solid, pour order 0): 843.28,1135.38 932.18,1135.38 932.18,1231.9 919.48,1244.6 942.34,1267.46 1094.74,1267.46 1094.74,1473.2 942.34,1473.2 843.28,1374.14
Net*_1 on Bottom Layer "NET*_1_L02_P002" (solid, pour order 2): 840.74,706.12 800.1,706.12 675.64,830.58 675.64,967.74 726.44,967.74 787.4,1028.7 825.5,1028.7 825.5,863.6 840.74,848.36
Vbatt on Bottom Layer "VBATT_L02_P003" (solid, pour order 3): 896.62,1003.3 894.08,1005.84 894.08,1028.7 934.72,1028.7 1051.56,911.86 1051.56,695.96 904.24,695.96 896.62,703.58
GND on Top Layer "GND_L01_P005" (solid, pour order 5): 277.56,2935.04 3535.38,2935.04 3810.97,2659.45 3810.97,494.09 3678.12,361.25 3678.12,1.97 134.81,1.97 134.81,312.33 134.81,361.25 1.97,494.09 1.97,2659.45
5V on Top Layer "5V_L01_P004" (solid, pour order 4): 995.68,1473.2 1094.74,1473.2 1094.74,1267.46 995.68,1267.46

## Silkscreen, mask and mechanical layers (free items; w line width, h text height)
Top Overlay:
  drawing of 527 lines, arcs and shapes, not listed
  text "A Big Crete Production" at 1929.7,2763.52 h80
Mechanical 1:
  circle w3.94: c101.97,2504.45 r17
  circle w3.94: c3106.47,179.13 r17
  circle w3.94: c3006.47,179.13 r17
  circle w3.94: c2906.47,179.13 r17
  circle w3.94: c2806.47,179.13 r17
  circle w3.94: c2706.47,179.13 r17
  circle w3.94: c2606.47,179.13 r17
  circle w3.94: c2506.47,179.13 r17
  circle w3.94: c2406.47,179.13 r17
  circle w3.94: c2306.47,179.13 r17
  circle w3.94: c2206.47,179.13 r17
  circle w3.94: c2106.47,179.13 r17
  circle w3.94: c2006.47,179.13 r17
  circle w3.94: c1906.47,179.13 r17
  circle w3.94: c1806.47,179.13 r17
  circle w3.94: c1706.47,179.13 r17
  circle w3.94: c1606.47,179.13 r17
  circle w3.94: c1506.47,179.13 r17
  circle w3.94: c1406.47,179.13 r17
  circle w3.94: c1306.47,179.13 r17
  circle w3.94: c1206.47,179.13 r17
  circle w3.94: c1106.47,179.13 r17
  circle w3.94: c1006.47,179.13 r17
  circle w3.94: c906.47,179.13 r17
  circle w3.94: c806.47,179.13 r17
  circle w3.94: c706.47,179.13 r17
  circle w3.94: c101.97,704.45 r17
  circle w3.94: c3710.97,804.45 r17
  circle w3.94: c101.97,804.45 r17
  circle w3.94: c3710.97,904.45 r17
  circle w3.94: c3710.97,604.45 r17
  circle w3.94: c101.97,604.45 r17
  circle w3.94: c3710.97,704.45 r17
  circle w3.94: c101.97,1904.45 r17
  circle w3.94: c3710.97,2004.45 r17
  circle w3.94: c101.97,2004.45 r17
  circle w3.94: c3710.97,2104.45 r17
  circle w3.94: c101.97,1704.45 r17
  circle w3.94: c3710.97,1804.45 r17
  circle w3.94: c101.97,1804.45 r17
  circle w3.94: c3710.97,1904.45 r17
  circle w3.94: c101.97,2304.45 r17
  circle w3.94: c3710.97,2404.45 r17
  circle w3.94: c101.97,2404.45 r17
  circle w3.94: c3710.97,2504.45 r17
  circle w3.94: c101.97,2104.45 r17
  circle w3.94: c3710.97,2204.45 r17
  circle w3.94: c101.97,2204.45 r17
  circle w3.94: c3710.97,2304.45 r17
  circle w3.94: c101.97,1104.45 r17
  circle w3.94: c3710.97,1204.45 r17
  circle w3.94: c101.97,1204.45 r17
  circle w3.94: c3710.97,1304.45 r17
  circle w3.94: c101.97,904.45 r17
  circle w3.94: c3710.97,1004.45 r17
  circle w3.94: c101.97,1004.45 r17
  circle w3.94: c3710.97,1104.45 r17
  circle w3.94: c101.97,1504.45 r17
  circle w3.94: c3710.97,1604.45 r17
  circle w3.94: c101.97,1604.45 r17
  circle w3.94: c3710.97,1704.45 r17
  circle w3.94: c101.97,1304.45 r17
  circle w3.94: c3710.97,1404.45 r17
  circle w3.94: c101.97,1404.45 r17
  circle w3.94: c3710.97,1504.45 r17
  circle w3.94: c3417.27,2777.56 r59.06
  circle w3.94: c395.67,2777.56 r59.06
  lines w3.94: 1.97,494.09 100.22,395.84 cw(c16.7,312.33) 134.81,312.33 134.81,1.97 3678.12,1.97 3678.12,312.33 cw(c3796.23,312.33) 3712.72,395.84 3810.97,494.09 3810.97,2659.45 3535.38,2935.04 277.56,2935.04 1.97,2659.45 1.97,494.09 ; 1784.42,2324.8 1784.42,2482.28 2382.85,2482.28 2382.85,2324.8 1784.42,2324.8 ; 1941.9,907.48 1941.9,1064.96 2540.33,1064.96 2540.33,907.48 1941.9,907.48 ; 2788.36,907.48 2788.36,1064.96 3386.78,1064.96 3386.78,907.48 2788.36,907.48 ; 2788.36,2324.8 2788.36,2482.28 3386.78,2482.28 3386.78,2324.8 2788.36,2324.8

## Text inside footprints (layer, text, board x,y; h text height)
U1: Bottom Overlay "*" at 531.39,599.06 h50; Mechanical 13 "*" at 487.64,551.06 h50